# EAGLE board working (EAGLE 6.6.0), part 1 of 2 (continued)
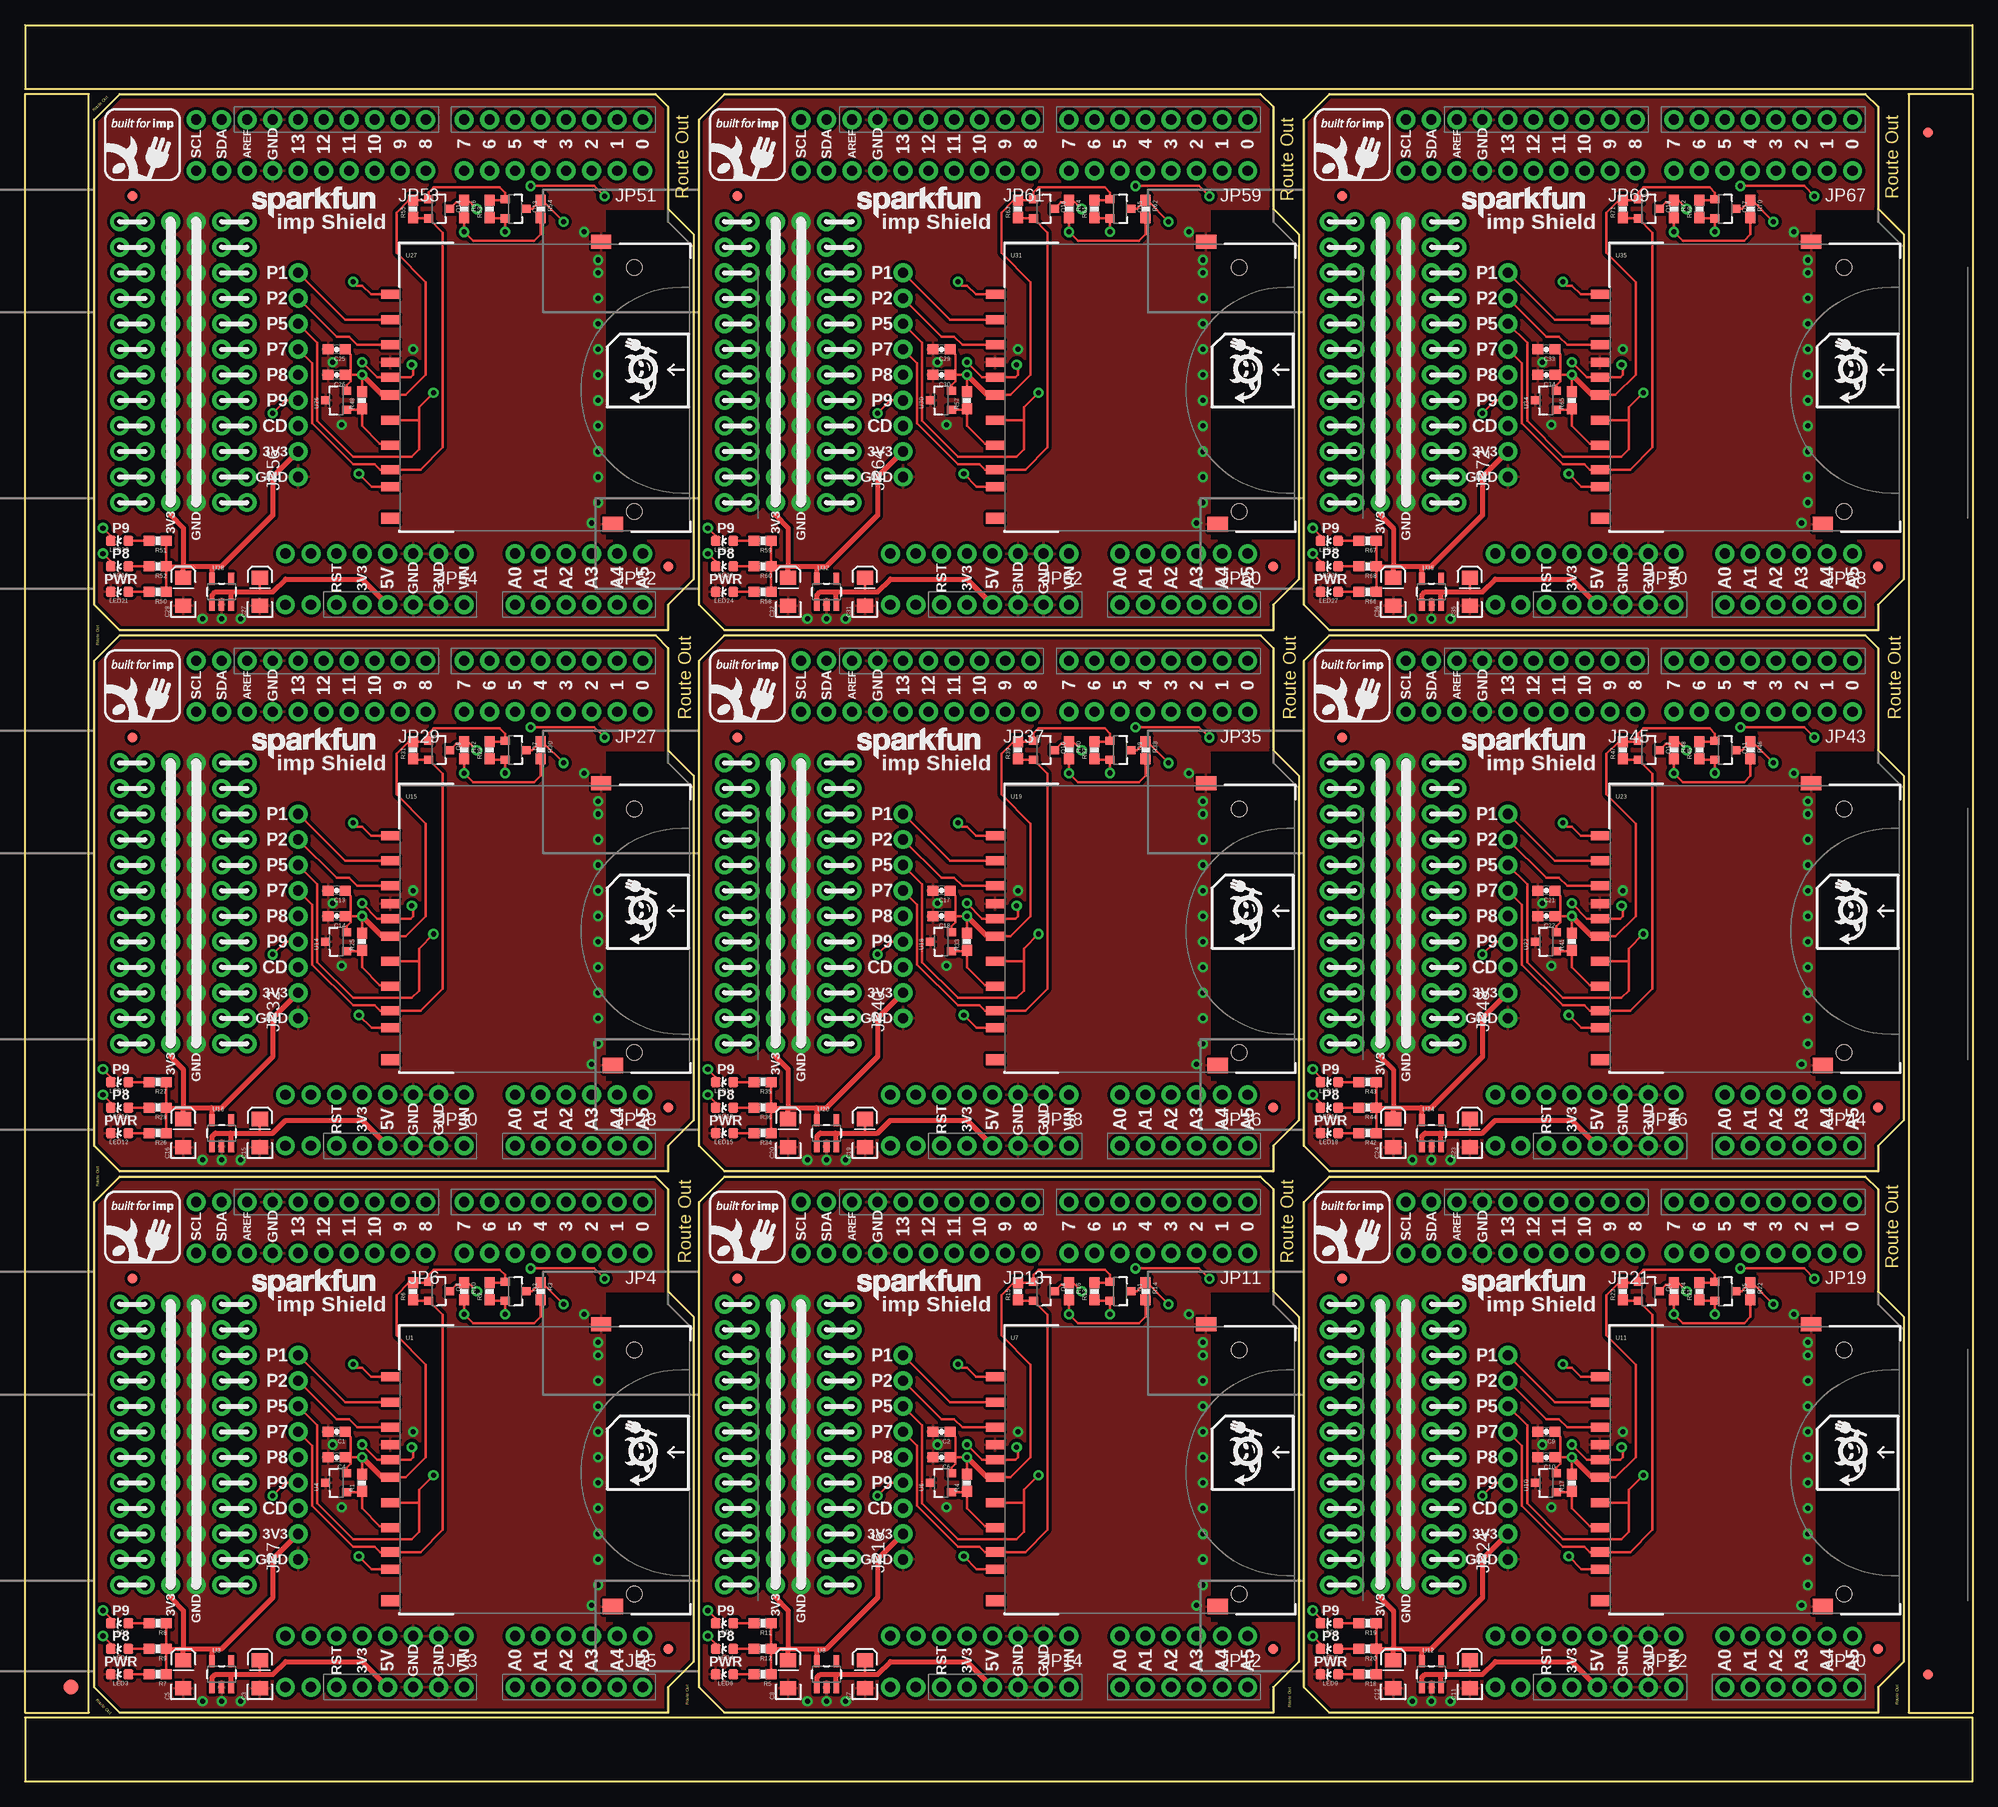
[diagram p0: board, top side]
## Library data of the parts
C1 C2 C9 C13 C17 C21 C25 C29 C33 = SparkFun-Capacitors; PROD_ID: CAP-00868
C3 C5 C7 C8 C11 C12 C15 C16 C19 C20 C23 C24 C27 C28 C31 C32 C35 C36 = SparkFun-Capacitors; PROD_ID: CAP-00811
C4 C6 C10 C14 C18 C22 C26 C30 C34 = SparkFun-Capacitors; PROD_ID: CAP-00810
E$1 = SparkFun-Retired
E$4 E$5 FID1-FID18 JP10 JP15 JP23 JP31 JP39 JP47 JP55 JP63 JP71 U$1-U$9 = SparkFun-Aesthetics
JP1-JP9 JP11-JP14 JP16-JP22 JP24-JP30 JP32-JP38 JP40-JP46 JP48-JP54 JP56-JP62 JP64-JP70 JP72 = SparkFun-Connectors
LED1 LED4 LED7 LED10 LED13 LED16 LED19 LED22 LED25 = SparkFun-LED; PROD_ID: DIO-00819
LED2 LED5 LED8 LED11 LED14 LED17 LED20 LED23 LED26 = SparkFun-LED; PROD_ID: DIO-09003
LED3 LED6 LED9 LED12 LED15 LED18 LED21 LED24 LED27 = SparkFun-LED; PROD_ID: DIO-00821
Q1-Q18 = SparkFun-DiscreteSemi
R1 R4 R17 R25 R33 R41 R49 R57 R65 = SparkFun-Resistors; PROD_ID: RES-07828
R2 R3 R6 R10 R13-R16 R21-R24 R29-R32 R37-R40 R45-R48 R53-R56 R61-R64 R69-R72 = SparkFun-Resistors; PROD_ID: RES-00824
R5 R7-R9 R11 R12 R18-R20 R26-R28 R34-R36 R42-R44 R50-R52 R58-R60 R66-R68 = SparkFun-Resistors; PROD_ID: RES-00818
SJ1-SJ45 = SparkFun-Passives
U1 U7 U11 U15 U19 U23 U27 U31 U35 = SparkFun-RF; PROD_ID: CONN-11976
U2 U5 U9 U13 U17 U21 U25 U29 U33 = SparkFun-Boards
U3 U8 U12 U16 U20 U24 U28 U32 U36 = SparkFun-PowerIC
U4 U6 U10 U14 U18 U22 U26 U30 U34 = SparkFun-DigitalIC

## Nets
3.3V: C1.1 C4.1 C5.A JP7.2 Q2.1 Q3.1 R1.2 R2.2 R6.2 R7.1 R8.1 R9.1 U1.4 U3.5 U4.2
3.3V1: C2.1 C6.1 C8.A JP16.2 Q1.1 Q4.1 R4.2 R5.1 R11.1 R12.1 R13.2 R15.2 U6.2 U7.4 U8.5
3.3V2: C9.1 C10.1 C12.A JP24.2 Q5.1 Q6.1 R17.2 R18.1 R19.1 R20.1 R21.2 R23.2 U10.2 U11.4 U12.5
3.3V3: C13.1 C14.1 C16.A JP32.2 Q7.1 Q8.1 R25.2 R26.1 R27.1 R28.1 R29.2 R31.2 U14.2 U15.4 U16.5
3.3V4: C17.1 C18.1 C20.A JP40.2 Q9.1 Q10.1 R33.2 R34.1 R35.1 R36.1 R37.2 R39.2 U18.2 U19.4 U20.5
3.3V5: C21.1 C22.1 C24.A JP48.2 Q11.1 Q12.1 R41.2 R42.1 R43.1 R44.1 R45.2 R47.2 U22.2 U23.4 U24.5
3.3V6: C25.1 C26.1 C28.A JP56.2 Q13.1 Q14.1 R49.2 R50.1 R51.1 R52.1 R53.2 R55.2 U26.2 U27.4 U28.5
3.3V7: C29.1 C30.1 C32.A JP64.2 Q15.1 Q16.1 R57.2 R58.1 R59.1 R60.1 R61.2 R63.2 U30.2 U31.4 U32.5
3.3V8: C33.1 C34.1 C36.A JP72.2 Q17.1 Q18.1 R65.2 R66.1 R67.1 R68.1 R69.2 R71.2 U34.2 U35.4 U36.5
3.3V-A: JP3.5 U2.3.3V
3.3V-A1: JP14.5 U5.3.3V
3.3V-A2: JP22.5 U9.3.3V
3.3V-A3: JP30.5 U13.3.3V
3.3V-A4: JP38.5 U17.3.3V
3.3V-A5: JP46.5 U21.3.3V
3.3V-A6: JP54.5 U25.3.3V
3.3V-A7: JP62.5 U29.3.3V
3.3V-A8: JP70.5 U33.3.3V
5V: C3.A JP3.4 R3.2 R10.2 U2.5V U3.1 U3.3
5V1: C7.A JP14.4 R14.2 R16.2 U5.5V U8.1 U8.3
5V2: C11.A JP22.4 R22.2 R24.2 U9.5V U12.1 U12.3
5V3: C15.A JP30.4 R30.2 R32.2 U13.5V U16.1 U16.3
5V4: C19.A JP38.4 R38.2 R40.2 U17.5V U20.1 U20.3
5V5: C23.A JP46.4 R46.2 R48.2 U21.5V U24.1 U24.3
5V6: C27.A JP54.4 R54.2 R56.2 U25.5V U28.1 U28.3
5V7: C31.A JP62.4 R62.2 R64.2 U29.5V U32.1 U32.3
5V8: C35.A JP70.4 R70.2 R72.2 U33.5V U36.1 U36.3
A0: JP5.6 SJ3.1 U2.A0
A1: JP5.5 U2.A1
A2: JP5.4 U2.A2
A3: JP5.3 U2.A3
A4: JP5.2 U2.A4
A5: JP5.1 U2.A5
A6: JP12.2 U5.A4
A7: JP12.3 U5.A3
A8: JP12.4 U5.A2
A9: JP12.5 U5.A1
A10: JP12.6 SJ8.1 U5.A0
A11: JP12.1 U5.A5
A12: JP20.2 U9.A4
A13: JP20.3 U9.A3
A14: JP20.4 U9.A2
A15: JP20.5 U9.A1
A16: JP20.6 SJ13.1 U9.A0
A17: JP20.1 U9.A5
A18: JP28.2 U13.A4
A19: JP28.3 U13.A3
A20: JP28.4 U13.A2
A21: JP28.5 U13.A1
A22: JP28.6 SJ18.1 U13.A0
A23: JP28.1 U13.A5
A24: JP36.2 U17.A4
A25: JP36.3 U17.A3
A26: JP36.4 U17.A2
A27: JP36.5 U17.A1
A28: JP36.6 SJ23.1 U17.A0
A29: JP36.1 U17.A5
A30: JP44.2 U21.A4
A31: JP44.3 U21.A3
A32: JP44.4 U21.A2
A33: JP44.5 U21.A1
A34: JP44.6 SJ28.1 U21.A0
A35: JP44.1 U21.A5
A36: JP52.2 U25.A4
A37: JP52.3 U25.A3
A38: JP52.4 U25.A2
A39: JP52.5 U25.A1
A40: JP52.6 SJ33.1 U25.A0
A41: JP52.1 U25.A5
A42: JP60.2 U29.A4
A43: JP60.3 U29.A3
A44: JP60.4 U29.A2
A45: JP60.5 U29.A1
A46: JP60.6 SJ38.1 U29.A0
A47: JP60.1 U29.A5
A48: JP68.2 U33.A4
A49: JP68.3 U33.A3
A50: JP68.4 U33.A2
A51: JP68.5 U33.A1
A52: JP68.6 SJ43.1 U33.A0
A53: JP68.1 U33.A5
ACTIVITY: LED1.C SJ4.2
ACTIVITY1: LED4.C SJ9.2
ACTIVITY2: LED7.C SJ14.2
ACTIVITY3: LED10.C SJ19.2
ACTIVITY4: LED13.C SJ24.2
ACTIVITY5: LED16.C SJ29.2
ACTIVITY6: LED19.C SJ34.2
ACTIVITY7: LED22.C SJ39.2
ACTIVITY8: LED25.C SJ44.2
AREF: JP6.8 U2.AREF
AREF1: JP13.8 U5.AREF
AREF2: JP21.8 U9.AREF
AREF3: JP29.8 U13.AREF
AREF4: JP37.8 U17.AREF
AREF5: JP45.8 U21.AREF
AREF6: JP53.8 U25.AREF
AREF7: JP61.8 U29.AREF
AREF8: JP69.8 U33.AREF
CD: JP7.3 SJ3.2 U1.CD
CD1: JP16.3 SJ8.2 U7.CD
CD2: JP24.3 SJ13.2 U11.CD
CD3: JP32.3 SJ18.2 U15.CD
CD4: JP40.3 SJ23.2 U19.CD
CD5: JP48.3 SJ28.2 U23.CD
CD6: JP56.3 SJ33.2 U27.CD
CD7: JP64.3 SJ38.2 U31.CD
CD8: JP72.3 SJ43.2 U35.CD
D0: JP4.1 SJ1.3 U2.RX
D1: JP4.2 SJ2.3 U2.TX
D2: JP4.3 U2.D2
D3: JP4.4 U2.D3
D4: JP4.5 U2.D4
D5: JP4.6 U2.D5
D6: JP4.7 U2.D6
D7: JP4.8 U2.D7
D8: JP6.1 SJ1.1 U2.D8
D9: JP6.2 SJ2.1 U2.D9
D10: JP6.3 U2.D10
D11: JP6.4 U2.D11
D12: JP6.5 U2.D12
D13: JP6.6 U2.D13
D14: JP11.3 U5.D2
D15: JP11.4 U5.D3
D16: JP11.5 U5.D4
D17: JP11.6 U5.D5
D18: JP11.7 U5.D6
D19: JP11.8 U5.D7
D20: JP13.1 SJ6.1 U5.D8
D21: JP13.2 SJ7.1 U5.D9
D22: JP13.3 U5.D10
D23: JP13.4 U5.D11
D24: JP13.5 U5.D12
D25: JP13.6 U5.D13
D26: JP11.2 SJ7.3 U5.TX
D27: JP11.1 SJ6.3 U5.RX
D28: JP19.3 U9.D2
D29: JP19.4 U9.D3
D30: JP19.5 U9.D4
D31: JP19.6 U9.D5
D32: JP19.7 U9.D6
D33: JP19.8 U9.D7
D34: JP21.1 SJ11.1 U9.D8
D35: JP21.2 SJ12.1 U9.D9
D36: JP21.3 U9.D10
D37: JP21.4 U9.D11
D38: JP21.5 U9.D12
D39: JP21.6 U9.D13
D40: JP19.2 SJ12.3 U9.TX
D41: JP19.1 SJ11.3 U9.RX
D42: JP27.3 U13.D2
D43: JP27.4 U13.D3
D44: JP27.5 U13.D4
D45: JP27.6 U13.D5
D46: JP27.7 U13.D6
D47: JP27.8 U13.D7
D48: JP29.1 SJ16.1 U13.D8
D49: JP29.2 SJ17.1 U13.D9
D50: JP29.3 U13.D10
D51: JP29.4 U13.D11
D52: JP29.5 U13.D12
D53: JP29.6 U13.D13
D54: JP27.2 SJ17.3 U13.TX
D55: JP27.1 SJ16.3 U13.RX
D56: JP35.3 U17.D2
D57: JP35.4 U17.D3
D58: JP35.5 U17.D4
D59: JP35.6 U17.D5
D60: JP35.7 U17.D6
D61: JP35.8 U17.D7
D62: JP37.1 SJ21.1 U17.D8
D63: JP37.2 SJ22.1 U17.D9
D64: JP37.3 U17.D10
D65: JP37.4 U17.D11
D66: JP37.5 U17.D12
D67: JP37.6 U17.D13
D68: JP35.2 SJ22.3 U17.TX
D69: JP35.1 SJ21.3 U17.RX
D70: JP43.3 U21.D2
D71: JP43.4 U21.D3
D72: JP43.5 U21.D4
D73: JP43.6 U21.D5
D74: JP43.7 U21.D6
D75: JP43.8 U21.D7
D76: JP45.1 SJ26.1 U21.D8
D77: JP45.2 SJ27.1 U21.D9
D78: JP45.3 U21.D10
D79: JP45.4 U21.D11
D80: JP45.5 U21.D12
D81: JP45.6 U21.D13
D82: JP43.2 SJ27.3 U21.TX
D83: JP43.1 SJ26.3 U21.RX
D84: JP51.3 U25.D2
D85: JP51.4 U25.D3
D86: JP51.5 U25.D4
D87: JP51.6 U25.D5
D88: JP51.7 U25.D6
D89: JP51.8 U25.D7
D90: JP53.1 SJ31.1 U25.D8
D91: JP53.2 SJ32.1 U25.D9
D92: JP53.3 U25.D10
D93: JP53.4 U25.D11
D94: JP53.5 U25.D12
D95: JP53.6 U25.D13
D96: JP51.2 SJ32.3 U25.TX
D97: JP51.1 SJ31.3 U25.RX
D98: JP59.3 U29.D2
D99: JP59.4 U29.D3
D100: JP59.5 U29.D4
D101: JP59.6 U29.D5
D102: JP59.7 U29.D6
D103: JP59.8 U29.D7
D104: JP61.1 SJ36.1 U29.D8
D105: JP61.2 SJ37.1 U29.D9
D106: JP61.3 U29.D10
D107: JP61.4 U29.D11
D108: JP61.5 U29.D12
D109: JP61.6 U29.D13
D110: JP59.2 SJ37.3 U29.TX
D111: JP59.1 SJ36.3 U29.RX
D112: JP67.3 U33.D2
D113: JP67.4 U33.D3
D114: JP67.5 U33.D4
D115: JP67.6 U33.D5
D116: JP67.7 U33.D6
D117: JP67.8 U33.D7
D118: JP69.1 SJ41.1 U33.D8
D119: JP69.2 SJ42.1 U33.D9
D120: JP69.3 U33.D10
D121: JP69.4 U33.D11
D122: JP69.5 U33.D12
D123: JP69.6 U33.D13
D124: JP67.2 SJ42.3 U33.TX
D125: JP67.1 SJ41.3 U33.RX
GND: C1.2 C3.C C4.2 C5.C JP3.2 JP3.3 JP6.7 JP7.1 LED3.C U1.3 U1.SH@1 U1.SH@2 U2.GND@0 U2.GND@1 U2.GND@2 U3.2 U4.3
GND1: C2.2 C6.2 C7.C C8.C JP13.7 JP14.2 JP14.3 JP16.1 LED6.C U5.GND@0 U5.GND@1 U5.GND@2 U6.3 U7.3 U7.SH@1 U7.SH@2 U8.2
GND2: C9.2 C10.2 C11.C C12.C JP21.7 JP22.2 JP22.3 JP24.1 LED9.C U9.GND@0 U9.GND@1 U9.GND@2 U10.3 U11.3 U11.SH@1 U11.SH@2 U12.2
GND3: C13.2 C14.2 C15.C C16.C JP29.7 JP30.2 JP30.3 JP32.1 LED12.C U13.GND@0 U13.GND@1 U13.GND@2 U14.3 U15.3 U15.SH@1 U15.SH@2 U16.2
GND4: C17.2 C18.2 C19.C C20.C JP37.7 JP38.2 JP38.3 JP40.1 LED15.C U17.GND@0 U17.GND@1 U17.GND@2 U18.3 U19.3 U19.SH@1 U19.SH@2 U20.2
GND5: C21.2 C22.2 C23.C C24.C JP45.7 JP46.2 JP46.3 JP48.1 LED18.C U21.GND@0 U21.GND@1 U21.GND@2 U22.3 U23.3 U23.SH@1 U23.SH@2 U24.2
GND6: C25.2 C26.2 C27.C C28.C JP53.7 JP54.2 JP54.3 JP56.1 LED21.C U25.GND@0 U25.GND@1 U25.GND@2 U26.3 U27.3 U27.SH@1 U27.SH@2 U28.2
GND7: C29.2 C30.2 C31.C C32.C JP61.7 JP62.2 JP62.3 JP64.1 LED24.C U29.GND@0 U29.GND@1 U29.GND@2 U30.3 U31.3 U31.SH@1 U31.SH@2 U32.2
GND8: C33.2 C34.2 C35.C C36.C JP69.7 JP70.2 JP70.3 JP72.1 LED27.C U33.GND@0 U33.GND@1 U33.GND@2 U34.3 U35.3 U35.SH@1 U35.SH@2 U36.2
LINK: LED2.C SJ5.2
LINK1: LED5.C SJ10.2
LINK2: LED8.C SJ15.2
LINK3: LED11.C SJ20.2
LINK4: LED14.C SJ25.2
LINK5: LED17.C SJ30.2
LINK6: LED20.C SJ35.2
LINK7: LED23.C SJ40.2
LINK8: LED26.C SJ45.2
N$1: R4.1 U6.1 U7.6
N$2: R1.1 U1.6 U4.1
N$3: JP9.2 JP14.8
N$4: JP9.1 JP14.7
N$7: LED6.A R5.2
N$8: LED5.A R11.2
N$9: LED4.A R12.2
N$10: JP2.2 JP3.8
N$11: JP2.1 JP3.7
N$12: LED3.A R7.2
N$13: LED2.A R8.2
N$14: LED1.A R9.2
N$50: R17.1 U10.1 U11.6
N$51: JP18.2 JP22.8
N$52: JP18.1 JP22.7
N$57: LED9.A R18.2
N$58: LED8.A R19.2
N$59: LED7.A R20.2
N$94: R25.1 U14.1 U15.6
N$95: JP26.2 JP30.8
N$96: JP26.1 JP30.7
N$102: LED12.A R26.2
N$103: LED11.A R27.2
N$104: LED10.A R28.2
N$129: R33.1 U18.1 U19.6
N$130: JP34.2 JP38.8
N$131: JP34.1 JP38.7
N$134: LED15.A R34.2
N$135: LED14.A R35.2
N$136: LED13.A R36.2
N$161: R41.1 U22.1 U23.6
N$162: JP42.2 JP46.8
N$163: JP42.1 JP46.7
N$166: LED18.A R42.2
N$167: LED17.A R43.2
N$168: LED16.A R44.2
N$193: R49.1 U26.1 U27.6
N$194: JP50.2 JP54.8
N$195: JP50.1 JP54.7
N$198: LED21.A R50.2
N$199: LED20.A R51.2
N$200: LED19.A R52.2
N$225: R57.1 U30.1 U31.6
N$226: JP58.2 JP62.8
N$227: JP58.1 JP62.7
N$230: LED24.A R58.2
N$231: LED23.A R59.2
N$232: LED22.A R60.2
N$257: R65.1 U34.1 U35.6
N$258: JP66.2 JP70.8
N$259: JP66.1 JP70.7
N$262: LED27.A R66.2
N$263: LED26.A R67.2
N$264: LED25.A R68.2
PIN1: JP7.9 U1.1
PIN2: JP7.8 U1.2
PIN3: JP16.9 U7.1
PIN4: JP16.5 SJ9.1 U7.8
PIN5: JP7.7 Q2.2 R2.1 U1.5
PIN6: JP16.4 SJ10.1 U7.9
PIN7: JP7.6 Q3.2 R6.1 U1.7
PIN8: JP7.5 SJ4.1 U1.8
PIN9: JP7.4 SJ5.1 U1.9
PIN10: JP16.8 U7.2
PIN11: JP16.7 Q1.2 R13.1 U7.5
PIN12: JP16.6 Q4.2 R15.1 U7.7
PIN13: JP24.9 U11.1
PIN14: JP24.5 SJ14.1 U11.8
PIN15: JP24.4 SJ15.1 U11.9
PIN16: JP24.8 U11.2
PIN17: JP24.7 Q5.2 R21.1 U11.5
PIN18: JP24.6 Q6.2 R23.1 U11.7
PIN19: JP32.9 U15.1
PIN20: JP32.5 SJ19.1 U15.8
PIN21: JP32.4 SJ20.1 U15.9
PIN22: JP32.8 U15.2
PIN23: JP32.7 Q7.2 R29.1 U15.5
PIN24: JP32.6 Q8.2 R31.1 U15.7
PIN25: JP40.9 U19.1
PIN26: JP40.5 SJ24.1 U19.8
PIN27: JP40.4 SJ25.1 U19.9
PIN28: JP40.8 U19.2
PIN29: JP40.7 Q9.2 R37.1 U19.5
PIN30: JP40.6 Q10.2 R39.1 U19.7
PIN31: JP48.9 U23.1
PIN32: JP48.5 SJ29.1 U23.8
PIN33: JP48.4 SJ30.1 U23.9
PIN34: JP48.8 U23.2
PIN35: JP48.7 Q11.2 R45.1 U23.5
PIN36: JP48.6 Q12.2 R47.1 U23.7
PIN37: JP56.9 U27.1
PIN38: JP56.5 SJ34.1 U27.8
PIN39: JP56.4 SJ35.1 U27.9
PIN40: JP56.8 U27.2
PIN41: JP56.7 Q13.2 R53.1 U27.5
PIN42: JP56.6 Q14.2 R55.1 U27.7
PIN43: JP64.9 U31.1
PIN44: JP64.5 SJ39.1 U31.8
PIN45: JP64.4 SJ40.1 U31.9
PIN46: JP64.8 U31.2
PIN47: JP64.7 Q15.2 R61.1 U31.5
PIN48: JP64.6 Q16.2 R63.1 U31.7
PIN49: JP72.9 U35.1
PIN50: JP72.5 SJ44.1 U35.8
PIN51: JP72.4 SJ45.1 U35.9
PIN52: JP72.8 U35.2
PIN53: JP72.7 Q17.2 R69.1 U35.5
PIN54: JP72.6 Q18.2 R71.1 U35.7
RESET: JP3.6 U2.RES
RESET1: JP14.6 U5.RES
RESET2: JP22.6 U9.RES
RESET3: JP30.6 U13.RES
RESET4: JP38.6 U17.RES
RESET5: JP46.6 U21.RES
RESET6: JP54.6 U25.RES
RESET7: JP62.6 U29.RES
RESET8: JP70.6 U33.RES
RX: Q2.3 R3.1 SJ1.2
RX1: Q1.3 R14.1 SJ6.2
RX2: Q5.3 R22.1 SJ11.2
RX3: Q7.3 R30.1 SJ16.2
RX4: Q9.3 R38.1 SJ21.2
RX5: Q11.3 R46.1 SJ26.2
RX6: Q13.3 R54.1 SJ31.2
RX7: Q15.3 R62.1 SJ36.2
RX8: Q17.3 R70.1 SJ41.2
SCL: JP1.1 JP6.10
SCL1: JP8.1 JP13.10
SCL2: JP17.1 JP21.10
SCL3: JP25.1 JP29.10
SCL4: JP33.1 JP37.10
SCL5: JP41.1 JP45.10
SCL6: JP49.1 JP53.10
SCL7: JP57.1 JP61.10
SCL8: JP65.1 JP69.10
SDA: JP1.2 JP6.9
SDA1: JP8.2 JP13.9
SDA2: JP17.2 JP21.9
SDA3: JP25.2 JP29.9
SDA4: JP33.2 JP37.9
SDA5: JP41.2 JP45.9
SDA6: JP49.2 JP53.9
SDA7: JP57.2 JP61.9
SDA8: JP65.2 JP69.9
TX: Q3.3 R10.1 SJ2.2
TX1: Q4.3 R16.1 SJ7.2
TX2: Q6.3 R24.1 SJ12.2
TX3: Q8.3 R32.1 SJ17.2
TX4: Q10.3 R40.1 SJ22.2
TX5: Q12.3 R48.1 SJ27.2
TX6: Q14.3 R56.1 SJ32.2
TX7: Q16.3 R64.1 SJ37.2
TX8: Q18.3 R72.1 SJ42.2
VIN: JP3.1 U2.VIN
VIN1: JP14.1 U5.VIN
VIN2: JP22.1 U9.VIN
VIN3: JP30.1 U13.VIN
VIN4: JP38.1 U17.VIN
VIN5: JP46.1 U21.VIN
VIN6: JP54.1 U25.VIN
VIN7: JP62.1 U29.VIN
VIN8: JP70.1 U33.VIN

## Tracks (layer width: path | path; a pad name or v marks a point on that pad's centre or on a via)
3.3V  (via drill 0.51, 1.02 pad 1.88)
  Top 0.254: R8.1 R9.1 R7.1 | C4.1 32.38,32.26 | 32.38,32.26 v33.53,32.26 R1.2 | U4.2 31.99,31.23 32.38,31.62 32.38,32.26 | 32.38,32.26 32.38,34.25 C1.1 | U1.4 37.88,30.26 39.88,32.26 39.88,41.47 36.96,44.39 36.96,48.39 38.19,49.62 R6.2 40.05,49.62 Q3.1 40.15,50.44 40.64,50.93 47.24,50.93 47.77,50.4 Q2.1 47.67,49.62 R2.2
  Top 0.406: R9.1 15.75,13.21 | 18.61,13.14 18.54,13.21
  Top 0.508: 15.75,13.21 18.54,13.21 19.56,13.21 24.64,18.29 24.64,22.1 JP7.2 | U3.5 18.61,13.14 | C5.A 15.75,13.21 | v14.48,19.56 14.48,18.29 15.75,17.02 15.75,13.21 | U1.4 35.53,30.26 v33.53,32.26
  Bottom 0.508: v14.48,19.56 v14.48,22.1 v14.48,24.64 v14.48,27.18 v14.48,29.72 v14.48,32.26 v14.48,34.8 v14.48,37.34 v14.48,39.88 v14.48,42.42 v14.48,44.96 v14.48,47.5 | v33.53,32.26 33.53,30.99 JP7.2
3.3V1  (via drill 0.51, 1.02 pad 1.88)
  Top 0.254: R11.1 R12.1 R5.1 | C6.1 92.58,32.26 | 92.58,32.26 v93.73,32.26 R4.2 | U6.2 92.19,31.23 92.58,31.62 92.58,32.26 | 92.58,32.26 92.58,34.25 C2.1 | U7.4 98.08,30.26 100.08,32.26 100.08,41.47 97.16,44.39 97.16,48.39 98.39,49.62 R15.2 100.25,49.62 Q4.1 100.35,50.44 100.84,50.93 107.44,50.93 107.97,50.4 Q1.1 107.87,49.62 R13.2
  Top 0.406: R12.1 75.95,13.21 | 78.81,13.14 78.74,13.21
  Top 0.508: 75.95,13.21 78.74,13.21 79.76,13.21 84.84,18.29 84.84,22.1 JP16.2 | U8.5 78.81,13.14 | C8.A 75.95,13.21 | v74.68,19.56 74.68,18.29 75.95,17.02 75.95,13.21 | U7.4 95.73,30.26 v93.73,32.26
  Bottom 0.508: v74.68,19.56 v74.68,22.1 v74.68,24.64 v74.68,27.18 v74.68,29.72 v74.68,32.26 v74.68,34.8 v74.68,37.34 v74.68,39.88 v74.68,42.42 v74.68,44.96 v74.68,47.5 | v93.73,32.26 93.73,30.99 JP16.2
3.3V2  (via drill 0.51, 1.02 pad 1.88)
  Top 0.254: R19.1 R20.1 R18.1 | C10.1 152.78,32.26 | 152.78,32.26 v153.92,32.26 R17.2 | U10.2 152.38,31.23 152.78,31.62 152.78,32.26 | 152.78,32.26 152.78,34.25 C9.1 | U11.4 158.27,30.26 160.27,32.26 160.27,41.47 157.35,44.39 157.35,48.39 158.58,49.62 R23.2 160.44,49.62 Q6.1 160.54,50.44 161.04,50.93 167.64,50.93 168.16,50.4 Q5.1 168.06,49.62 R21.2
  Top 0.406: R20.1 136.14,13.21 | 139,13.14 138.94,13.21
  Top 0.508: 136.14,13.21 138.94,13.21 139.95,13.21 145.03,18.29 145.03,22.1 JP24.2 | U12.5 139,13.14 | C12.A 136.14,13.21 | v134.87,19.56 134.87,18.29 136.14,17.02 136.14,13.21 | U11.4 155.92,30.26 v153.92,32.26
  Bottom 0.508: v134.87,19.56 v134.87,22.1 v134.87,24.64 v134.87,27.18 v134.87,29.72 v134.87,32.26 v134.87,34.8 v134.87,37.34 v134.87,39.88 v134.87,42.42 v134.87,44.96 v134.87,47.5 | v153.92,32.26 153.92,30.99 JP24.2
3.3V3  (via drill 0.51, 1.02 pad 1.88)
  Top 0.254: R27.1 R28.1 R26.1 | C14.1 32.38,86.11 | 32.38,86.11 v33.53,86.11 R25.2 | U14.2 31.99,85.07 32.38,85.47 32.38,86.11 | 32.38,86.11 32.38,88.1 C13.1 | U15.4 37.88,84.11 39.88,86.11 39.88,95.32 36.96,98.24 36.96,102.23 38.19,103.47 R31.2 40.05,103.47 Q8.1 40.15,104.28 40.64,104.78 47.24,104.78 47.77,104.25 Q7.1 47.67,103.47 R29.2
  Top 0.406: R28.1 15.75,67.06 | 18.61,66.99 18.54,67.06
  Top 0.508: 15.75,67.06 18.54,67.06 19.56,67.06 24.64,72.14 24.64,75.95 JP32.2 | U16.5 18.61,66.99 | C16.A 15.75,67.06 | v14.48,73.41 14.48,72.14 15.75,70.87 15.75,67.06 | U15.4 35.53,84.11 v33.53,86.11
  Bottom 0.508: v14.48,73.41 v14.48,75.95 v14.48,78.49 v14.48,81.03 v14.48,83.57 v14.48,86.11 v14.48,88.65 v14.48,91.19 v14.48,93.73 v14.48,96.27 v14.48,98.81 v14.48,101.35 | v33.53,86.11 33.53,84.84 JP32.2
3.3V4  (via drill 0.51, 1.02 pad 1.88)
  Top 0.254: R35.1 R36.1 R34.1 | C18.1 92.58,86.11 | 92.58,86.11 v93.73,86.11 R33.2 | U18.2 92.19,85.07 92.58,85.47 92.58,86.11 | 92.58,86.11 92.58,88.1 C17.1 | U19.4 98.08,84.11 100.08,86.11 100.08,95.32 97.16,98.24 97.16,102.23 98.39,103.47 R39.2 100.25,103.47 Q10.1 100.35,104.28 100.84,104.78 107.44,104.78 107.97,104.25 Q9.1 107.87,103.47 R37.2
  Top 0.406: R36.1 75.95,67.06 | 78.81,66.99 78.74,67.06
  Top 0.508: 75.95,67.06 78.74,67.06 79.76,67.06 84.84,72.14 84.84,75.95 JP40.2 | U20.5 78.81,66.99 | C20.A 75.95,67.06 | v74.68,73.41 74.68,72.14 75.95,70.87 75.95,67.06 | U19.4 95.73,84.11 v93.73,86.11
  Bottom 0.508: v74.68,73.41 v74.68,75.95 v74.68,78.49 v74.68,81.03 v74.68,83.57 v74.68,86.11 v74.68,88.65 v74.68,91.19 v74.68,93.73 v74.68,96.27 v74.68,98.81 v74.68,101.35 | v93.73,86.11 93.73,84.84 JP40.2
3.3V5  (via drill 0.51, 1.02 pad 1.88)
  Top 0.254: R43.1 R44.1 R42.1 | C22.1 152.78,86.11 | 152.78,86.11 v153.92,86.11 R41.2 | U22.2 152.38,85.07 152.78,85.47 152.78,86.11 | 152.78,86.11 152.78,88.1 C21.1 | U23.4 158.27,84.11 160.27,86.11 160.27,95.32 157.35,98.24 157.35,102.23 158.58,103.47 R47.2 160.44,103.47 Q12.1 160.54,104.28 161.04,104.78 167.64,104.78 168.16,104.25 Q11.1 168.06,103.47 R45.2
  Top 0.406: R44.1 136.14,67.06 | 139,66.99 138.94,67.06
  Top 0.508: 136.14,67.06 138.94,67.06 139.95,67.06 145.03,72.14 145.03,75.95 JP48.2 | U24.5 139,66.99 | C24.A 136.14,67.06 | v134.87,73.41 134.87,72.14 136.14,70.87 136.14,67.06 | U23.4 155.92,84.11 v153.92,86.11
  Bottom 0.508: v134.87,73.41 v134.87,75.95 v134.87,78.49 v134.87,81.03 v134.87,83.57 v134.87,86.11 v134.87,88.65 v134.87,91.19 v134.87,93.73 v134.87,96.27 v134.87,98.81 v134.87,101.35 | v153.92,86.11 153.92,84.84 JP48.2
3.3V6  (via drill 0.51, 1.02 pad 1.88)
  Top 0.254: R51.1 R52.1 R50.1 | C26.1 32.38,139.95 | 32.38,139.95 v33.53,139.95 R49.2 | U26.2 31.99,138.92 32.38,139.32 32.38,139.95 | 32.38,139.95 32.38,141.95 C25.1 | U27.4 37.88,137.95 39.88,139.95 39.88,149.16 36.96,152.09 36.96,156.08 38.19,157.31 R55.2 40.05,157.31 Q14.1 40.15,158.13 40.64,158.62 47.24,158.62 47.77,158.1 Q13.1 47.67,157.31 R53.2
  Top 0.406: R52.1 15.75,120.9 | 18.61,120.84 18.54,120.9
  Top 0.508: 15.75,120.9 18.54,120.9 19.56,120.9 24.64,125.98 24.64,129.79 JP56.2 | U28.5 18.61,120.84 | C28.A 15.75,120.9 | v14.48,127.25 14.48,125.98 15.75,124.71 15.75,120.9 | U27.4 35.53,137.95 v33.53,139.95
  Bottom 0.508: v14.48,127.25 v14.48,129.79 v14.48,132.33 v14.48,134.87 v14.48,137.41 v14.48,139.95 v14.48,142.49 v14.48,145.03 v14.48,147.57 v14.48,150.11 v14.48,152.65 v14.48,155.19 | v33.53,139.95 33.53,138.68 JP56.2
3.3V7  (via drill 0.51, 1.02 pad 1.88)
  Top 0.254: R59.1 R60.1 R58.1 | C30.1 92.58,139.95 | 92.58,139.95 v93.73,139.95 R57.2 | U30.2 92.19,138.92 92.58,139.32 92.58,139.95 | 92.58,139.95 92.58,141.95 C29.1 | U31.4 98.08,137.95 100.08,139.95 100.08,149.16 97.16,152.09 97.16,156.08 98.39,157.31 R63.2 100.25,157.31 Q16.1 100.35,158.13 100.84,158.62 107.44,158.62 107.97,158.1 Q15.1 107.87,157.31 R61.2
  Top 0.406: R60.1 75.95,120.9 | 78.81,120.84 78.74,120.9
  Top 0.508: 75.95,120.9 78.74,120.9 79.76,120.9 84.84,125.98 84.84,129.79 JP64.2 | U32.5 78.81,120.84 | C32.A 75.95,120.9 | v74.68,127.25 74.68,125.98 75.95,124.71 75.95,120.9 | U31.4 95.73,137.95 v93.73,139.95
  Bottom 0.508: v74.68,127.25 v74.68,129.79 v74.68,132.33 v74.68,134.87 v74.68,137.41 v74.68,139.95 v74.68,142.49 v74.68,145.03 v74.68,147.57 v74.68,150.11 v74.68,152.65 v74.68,155.19 | v93.73,139.95 93.73,138.68 JP64.2
3.3V8  (via drill 0.51, 1.02 pad 1.88)
  Top 0.254: R67.1 R68.1 R66.1 | C34.1 152.78,139.95 | 152.78,139.95 v153.92,139.95 R65.2 | U34.2 152.38,138.92 152.78,139.32 152.78,139.95 | 152.78,139.95 152.78,141.95 C33.1 | U35.4 158.27,137.95 160.27,139.95 160.27,149.16 157.35,152.09 157.35,156.08 158.58,157.31 R71.2 160.44,157.31 Q18.1 160.54,158.13 161.04,158.62 167.64,158.62 168.16,158.1 Q17.1 168.06,157.31 R69.2
  Top 0.406: R68.1 136.14,120.9 | 139,120.84 138.94,120.9
  Top 0.508: 136.14,120.9 138.94,120.9 139.95,120.9 145.03,125.98 145.03,129.79 JP72.2 | U36.5 139,120.84 | C36.A 136.14,120.9 | v134.87,127.25 134.87,125.98 136.14,124.71 136.14,120.9 | U35.4 155.92,137.95 v153.92,139.95
  Bottom 0.508: v134.87,127.25 v134.87,129.79 v134.87,132.33 v134.87,134.87 v134.87,137.41 v134.87,139.95 v134.87,142.49 v134.87,145.03 v134.87,147.57 v134.87,150.11 v134.87,152.65 v134.87,155.19 | v153.92,139.95 153.92,138.68 JP72.2
3.3V-A
  Bottom 0.406: U2.3.3V JP3.5
3.3V-A1
  Bottom 0.406: U5.3.3V JP14.5
3.3V-A2
  Bottom 0.406: U9.3.3V JP22.5
3.3V-A3
  Bottom 0.406: U13.3.3V JP30.5
3.3V-A4
  Bottom 0.406: U17.3.3V JP38.5
3.3V-A5
  Bottom 0.406: U21.3.3V JP46.5
3.3V-A6
  Bottom 0.406: U25.3.3V JP54.5
3.3V-A7
  Bottom 0.406: U29.3.3V JP62.5
3.3V-A8
  Bottom 0.406: U33.3.3V JP70.5
5V  (via drill 0.51)
  Top 0.254: R10.2 v43.69,46.48 44.58,45.59 50.67,45.59 51.31,46.23 R3.2 | C3.A 23.37,10.67
  Top 0.406: 20.51,10.61 20.45,10.67
  Top 0.508: U2.5V 33.53,11.94 25.91,11.94 24.64,10.67 23.37,10.67 20.45,10.67 18.92,10.67 18.61,10.35 U3.1 | U3.3 20.51,10.61
  Bottom 0.254: JP3.4 36.07,39.88 42.67,46.48 v43.69,46.48
  Bottom 0.406: U2.5V JP3.4
5V1  (via drill 0.51)
  Top 0.254: R16.2 v103.89,46.48 104.78,45.59 110.87,45.59 111.51,46.23 R14.2 | C7.A 83.57,10.67
  Top 0.406: 80.71,10.61 80.64,10.67
  Top 0.508: U5.5V 93.73,11.94 86.11,11.94 84.84,10.67 83.57,10.67 80.64,10.67 79.12,10.67 78.81,10.35 U8.1 | U8.3 80.71,10.61
  Bottom 0.254: JP14.4 96.27,39.88 102.87,46.48 v103.89,46.48
  Bottom 0.406: U5.5V JP14.4
5V2  (via drill 0.51)
  Top 0.254: R24.2 v164.08,46.48 164.97,45.59 171.07,45.59 171.7,46.23 R22.2 | C11.A 143.76,10.67
  Top 0.406: 140.9,10.61 140.84,10.67
  Top 0.508: U9.5V 153.92,11.94 146.3,11.94 145.03,10.67 143.76,10.67 140.84,10.67 139.32,10.67 139,10.35 U12.1 | U12.3 140.9,10.61
  Bottom 0.254: JP22.4 156.46,39.88 163.07,46.48 v164.08,46.48
  Bottom 0.406: U9.5V JP22.4
5V3  (via drill 0.51)
  Top 0.254: R32.2 v43.69,100.33 44.58,99.44 50.67,99.44 51.31,100.08 R30.2 | C15.A 23.37,64.52
  Top 0.406: 20.51,64.45 20.45,64.52
  Top 0.508: U13.5V 33.53,65.79 25.91,65.79 24.64,64.52 23.37,64.52 20.45,64.52 18.92,64.52 18.61,64.2 U16.1 | U16.3 20.51,64.45
  Bottom 0.254: JP30.4 36.07,93.73 42.67,100.33 v43.69,100.33
  Bottom 0.406: U13.5V JP30.4
5V4  (via drill 0.51)
  Top 0.254: R40.2 v103.89,100.33 104.78,99.44 110.87,99.44 111.51,100.08 R38.2 | C19.A 83.57,64.52
  Top 0.406: 80.71,64.45 80.64,64.52
  Top 0.508: U17.5V 93.73,65.79 86.11,65.79 84.84,64.52 83.57,64.52 80.64,64.52 79.12,64.52 78.81,64.2 U20.1 | U20.3 80.71,64.45
  Bottom 0.254: JP38.4 96.27,93.73 102.87,100.33 v103.89,100.33
  Bottom 0.406: U17.5V JP38.4
5V5  (via drill 0.51)
  Top 0.254: R48.2 v164.08,100.33 164.97,99.44 171.07,99.44 171.7,100.08 R46.2 | C23.A 143.76,64.52
  Top 0.406: 140.9,64.45 140.84,64.52
  Top 0.508: U21.5V 153.92,65.79 146.3,65.79 145.03,64.52 143.76,64.52 140.84,64.52 139.32,64.52 139,64.2 U24.1 | U24.3 140.9,64.45
  Bottom 0.254: JP46.4 156.46,93.73 163.07,100.33 v164.08,100.33
  Bottom 0.406: U21.5V JP46.4
5V6  (via drill 0.51)
  Top 0.254: R56.2 v43.69,154.18 44.58,153.29 50.67,153.29 51.31,153.92 R54.2 | C27.A 23.37,118.36
  Top 0.406: 20.51,118.3 20.45,118.36
  Top 0.508: U25.5V 33.53,119.63 25.91,119.63 24.64,118.36 23.37,118.36 20.45,118.36 18.92,118.36 18.61,118.05 U28.1 | U28.3 20.51,118.3
  Bottom 0.254: JP54.4 36.07,147.57 42.67,154.18 v43.69,154.18
  Bottom 0.406: U25.5V JP54.4
5V7  (via drill 0.51)
  Top 0.254: R64.2 v103.89,154.18 104.78,153.29 110.87,153.29 111.51,153.92 R62.2 | C31.A 83.57,118.36
  Top 0.406: 80.71,118.3 80.64,118.36
  Top 0.508: U29.5V 93.73,119.63 86.11,119.63 84.84,118.36 83.57,118.36 80.64,118.36 79.12,118.36 78.81,118.05 U32.1 | U32.3 80.71,118.3
  Bottom 0.254: JP62.4 96.27,147.57 102.87,154.18 v103.89,154.18
  Bottom 0.406: U29.5V JP62.4
5V8  (via drill 0.51)
  Top 0.254: R72.2 v164.08,154.18 164.97,153.29 171.07,153.29 171.7,153.92 R70.2 | C35.A 143.76,118.36
  Top 0.406: 140.9,118.3 140.84,118.36
  Top 0.508: U33.5V 153.92,119.63 146.3,119.63 145.03,118.36 143.76,118.36 140.84,118.36 139.32,118.36 139,118.05 U36.1 | U36.3 140.9,118.3
  Bottom 0.254: JP70.4 156.46,147.57 163.07,154.18 v164.08,154.18
  Bottom 0.406: U33.5V JP70.4
A0
  Bottom 0.254: JP5.6 SJ3.1
  Bottom 0.406: U2.A0 JP5.6
A1
  Bottom 0.406: U2.A1 JP5.5
A2
  Bottom 0.406: U2.A2 JP5.4
A3
  Bottom 0.406: U2.A3 JP5.3
A4
  Bottom 0.406: U2.A4 JP5.2
A5
  Bottom 0.406: U2.A5 JP5.1
A6
  Bottom 0.406: U5.A4 JP12.2
A7
  Bottom 0.406: U5.A3 JP12.3
A8
  Bottom 0.406: U5.A2 JP12.4
A9
  Bottom 0.406: U5.A1 JP12.5
A10
  Bottom 0.254: JP12.6 SJ8.1
  Bottom 0.406: U5.A0 JP12.6
A11
  Bottom 0.406: U5.A5 JP12.1
A12
  Bottom 0.406: U9.A4 JP20.2
A13
  Bottom 0.406: U9.A3 JP20.3
A14
  Bottom 0.406: U9.A2 JP20.4
A15
  Bottom 0.406: U9.A1 JP20.5
A16
  Bottom 0.254: JP20.6 SJ13.1
  Bottom 0.406: U9.A0 JP20.6
A17
  Bottom 0.406: U9.A5 JP20.1
A18
  Bottom 0.406: U13.A4 JP28.2
A19
  Bottom 0.406: U13.A3 JP28.3
A20
  Bottom 0.406: U13.A2 JP28.4
A21
  Bottom 0.406: U13.A1 JP28.5
A22
  Bottom 0.254: JP28.6 SJ18.1
  Bottom 0.406: U13.A0 JP28.6
A23
  Bottom 0.406: U13.A5 JP28.1
A24
  Bottom 0.406: U17.A4 JP36.2
A25
  Bottom 0.406: U17.A3 JP36.3
A26
  Bottom 0.406: U17.A2 JP36.4
A27
  Bottom 0.406: U17.A1 JP36.5
A28
  Bottom 0.254: JP36.6 SJ23.1
  Bottom 0.406: U17.A0 JP36.6
A29
  Bottom 0.406: U17.A5 JP36.1
A30
  Bottom 0.406: U21.A4 JP44.2
A31
  Bottom 0.406: U21.A3 JP44.3
A32
  Bottom 0.406: U21.A2 JP44.4
A33
  Bottom 0.406: U21.A1 JP44.5
A34
  Bottom 0.254: JP44.6 SJ28.1
  Bottom 0.406: U21.A0 JP44.6
A35
  Bottom 0.406: U21.A5 JP44.1
A36
  Bottom 0.406: U25.A4 JP52.2
A37
  Bottom 0.406: U25.A3 JP52.3
A38
  Bottom 0.406: U25.A2 JP52.4
A39
  Bottom 0.406: U25.A1 JP52.5
A40
  Bottom 0.254: JP52.6 SJ33.1
  Bottom 0.406: U25.A0 JP52.6
A41
  Bottom 0.406: U25.A5 JP52.1
A42
  Bottom 0.406: U29.A4 JP60.2
A43
  Bottom 0.406: U29.A3 JP60.3
A44
  Bottom 0.406: U29.A2 JP60.4
A45
  Bottom 0.406: U29.A1 JP60.5
A46
  Bottom 0.254: JP60.6 SJ38.1
  Bottom 0.406: U29.A0 JP60.6
A47
  Bottom 0.406: U29.A5 JP60.1
A48
  Bottom 0.406: U33.A4 JP68.2
A49
  Bottom 0.406: U33.A3 JP68.3
A50
  Bottom 0.406: U33.A2 JP68.4
A51
  Bottom 0.406: U33.A1 JP68.5
A52
  Bottom 0.254: JP68.6 SJ43.1
  Bottom 0.406: U33.A0 JP68.6
A53
  Bottom 0.406: U33.A5 JP68.1
ACTIVITY  (via drill 0.51)
  Top 0.254: LED1.C 8.52,13.7 v7.75,14.48
  Bottom 0.254: SJ4.2 9.02,13.21 v7.75,14.48
ACTIVITY1  (via drill 0.51)
  Top 0.254: LED4.C 68.72,13.7 v67.94,14.48
  Bottom 0.254: SJ9.2 69.22,13.21 v67.94,14.48
ACTIVITY2  (via drill 0.51)
  Top 0.254: LED7.C 128.92,13.7 v128.14,14.48
  Bottom 0.254: SJ14.2 129.41,13.21 v128.14,14.48
ACTIVITY3  (via drill 0.51)
  Top 0.254: LED10.C 8.52,67.55 v7.75,68.33
  Bottom 0.254: SJ19.2 9.02,67.06 v7.75,68.33
ACTIVITY4  (via drill 0.51)
  Top 0.254: LED13.C 68.72,67.55 v67.94,68.33
  Bottom 0.254: SJ24.2 69.22,67.06 v67.94,68.33
ACTIVITY5  (via drill 0.51)
  Top 0.254: LED16.C 128.92,67.55 v128.14,68.33
  Bottom 0.254: SJ29.2 129.41,67.06 v128.14,68.33
ACTIVITY6  (via drill 0.51)
  Top 0.254: LED19.C 8.52,121.4 v7.75,122.17
  Bottom 0.254: SJ34.2 9.02,120.9 v7.75,122.17
ACTIVITY7  (via drill 0.51)
  Top 0.254: LED22.C 68.72,121.4 v67.94,122.17
  Bottom 0.254: SJ39.2 69.22,120.9 v67.94,122.17
ACTIVITY8  (via drill 0.51)
  Top 0.254: LED25.C 128.92,121.4 v128.14,122.17
  Bottom 0.254: SJ44.2 129.41,120.9 v128.14,122.17
AREF
  Bottom 0.406: JP6.8 U2.AREF
AREF1
  Bottom 0.406: JP13.8 U5.AREF
AREF2
  Bottom 0.406: JP21.8 U9.AREF
AREF3
  Bottom 0.406: JP29.8 U13.AREF
AREF4
  Bottom 0.406: JP37.8 U17.AREF
AREF5
  Bottom 0.406: JP45.8 U21.AREF
AREF6
  Bottom 0.406: JP53.8 U25.AREF
AREF7
  Bottom 0.406: JP61.8 U29.AREF
AREF8
  Bottom 0.406: JP69.8 U33.AREF
CD  (via drill 0.51)
  Top 0.254: v38.48,33.28 v38.48,33.27 38.61,33.15 38.61,32.26 38.36,32.01 U1.CD 35.05,32.01 v33.53,33.53 33.78,33.28
  Bottom 0.254: SJ3.2 48.77,20.83 38.48,31.11 v38.48,33.27 | JP7.3 v33.53,33.53
CD1  (via drill 0.51)
  Top 0.254: v98.67,33.28 v98.68,33.27 98.81,33.15 98.81,32.26 98.56,32.01 U7.CD 95.25,32.01 v93.73,33.53 93.98,33.28
  Bottom 0.254: SJ8.2 108.97,20.83 98.68,31.11 v98.68,33.27 | JP16.3 v93.73,33.53
CD2  (via drill 0.51)
  Top 0.254: v158.87,33.28 v158.88,33.27 159,33.15 159,32.26 158.75,32.01 U11.CD 155.44,32.01 v153.92,33.53 154.17,33.28
  Bottom 0.254: SJ13.2 169.16,20.83 158.88,31.11 v158.88,33.27 | JP24.3 v153.92,33.53
CD3  (via drill 0.51)
  Top 0.254: v38.48,87.13 v38.48,87.12 38.61,87 38.61,86.11 38.36,85.86 U15.CD 35.05,85.86 v33.53,87.38 33.78,87.13
  Bottom 0.254: SJ18.2 48.77,74.68 38.48,84.96 v38.48,87.12 | JP32.3 v33.53,87.38
CD4  (via drill 0.51)
  Top 0.254: v98.67,87.13 v98.68,87.12 98.81,87 98.81,86.11 98.56,85.86 U19.CD 95.25,85.86 v93.73,87.38 93.98,87.13
  Bottom 0.254: SJ23.2 108.97,74.68 98.68,84.96 v98.68,87.12 | JP40.3 v93.73,87.38
CD5  (via drill 0.51)
  Top 0.254: v158.87,87.13 v158.88,87.12 159,87 159,86.11 158.75,85.86 U23.CD 155.44,85.86 v153.92,87.38 154.17,87.13
  Bottom 0.254: SJ28.2 169.16,74.68 158.88,84.96 v158.88,87.12 | JP48.3 v153.92,87.38
CD6  (via drill 0.51)
  Top 0.254: v38.48,140.97 38.61,140.84 38.61,139.95 38.36,139.7 U27.CD 35.05,139.7 v33.53,141.22 33.78,140.97
  Bottom 0.254: SJ33.2 48.77,128.52 38.48,138.81 v38.48,140.97 | JP56.3 v33.53,141.22
CD7  (via drill 0.51)
  Top 0.254: v98.67,140.97 v98.68,140.97 98.81,140.84 98.81,139.95 98.56,139.7 U31.CD 95.25,139.7 v93.73,141.22 93.98,140.97
  Bottom 0.254: SJ38.2 108.97,128.52 98.68,138.81 v98.68,140.97 | JP64.3 v93.73,141.22
CD8  (via drill 0.51)
  Top 0.254: v158.87,140.97 v158.88,140.97 159,140.84 159,139.95 158.75,139.7 U35.CD 155.44,139.7 v153.92,141.22 154.17,140.97
  Bottom 0.254: SJ43.2 169.16,128.52 158.88,138.81 v158.88,140.97 | JP72.3 v153.92,141.22
D0
  Bottom 0.254: SJ1.3 61.09,50.93 61.47,51.31 JP4.1
  Bottom 0.406: JP4.1 U2.RX
D1
  Bottom 0.254: SJ2.3 56.01,50.93 56.39,51.31 57.66,51.31 JP4.2
  Bottom 0.406: JP4.2 U2.TX
D2
  Bottom 0.406: JP4.3 U2.D2
D3
  Bottom 0.406: JP4.4 U2.D3
D4
  Bottom 0.406: JP4.5 U2.D4
D5
  Bottom 0.406: JP4.6 U2.D5
D6
  Bottom 0.406: JP4.7 U2.D6
D7
  Bottom 0.406: JP4.8 U2.D7
D8  (via drill 0.51)
  Top 0.254: v50.29,51.05 56.64,51.05 v57.66,50.04
  Bottom 0.254: v50.29,51.05 41.4,51.05 JP6.1 | SJ1.1 v57.66,50.04
  Bottom 0.406: U2.D8 JP6.1
D9
  Bottom 0.254: SJ2.1 39.88,50.04 JP6.2
  Bottom 0.406: JP6.2 U2.D9
D10
  Bottom 0.406: JP6.3 U2.D10
D11
  Bottom 0.406: JP6.4 U2.D11
D12
  Bottom 0.406: JP6.5 U2.D12
D13
  Bottom 0.406: JP6.6 U2.D13
D14
  Bottom 0.406: JP11.3 U5.D2
D15
  Bottom 0.406: JP11.4 U5.D3
D16
  Bottom 0.406: JP11.5 U5.D4
D17
  Bottom 0.406: JP11.6 U5.D5
D18
  Bottom 0.406: JP11.7 U5.D6
D19
  Bottom 0.406: JP11.8 U5.D7
D20  (via drill 0.51)
  Top 0.254: v110.49,51.05 116.84,51.05 v117.86,50.04
  Bottom 0.254: v110.49,51.05 101.6,51.05 JP13.1 | SJ6.1 v117.86,50.04
  Bottom 0.406: U5.D8 JP13.1
D21
  Bottom 0.254: SJ7.1 100.08,50.04 JP13.2
  Bottom 0.406: JP13.2 U5.D9
D22
  Bottom 0.406: JP13.3 U5.D10
D23
  Bottom 0.406: JP13.4 U5.D11
D24
  Bottom 0.406: JP13.5 U5.D12
D25
  Bottom 0.406: JP13.6 U5.D13
D26
  Bottom 0.254: SJ7.3 116.2,50.93 116.59,51.31 117.86,51.31 JP11.2
  Bottom 0.406: JP11.2 U5.TX
D27
  Bottom 0.254: SJ6.3 121.28,50.93 121.67,51.31 JP11.1
  Bottom 0.406: JP11.1 U5.RX
D28
  Bottom 0.406: JP19.3 U9.D2
D29
  Bottom 0.406: JP19.4 U9.D3
D30
  Bottom 0.406: JP19.5 U9.D4
D31
  Bottom 0.406: JP19.6 U9.D5
D32
  Bottom 0.406: JP19.7 U9.D6
D33
  Bottom 0.406: JP19.8 U9.D7
D34  (via drill 0.51)
  Top 0.254: v170.69,51.05 177.04,51.05 v178.05,50.04
  Bottom 0.254: v170.69,51.05 161.8,51.05 JP21.1 | SJ11.1 v178.05,50.04
  Bottom 0.406: U9.D8 JP21.1
D35
  Bottom 0.254: SJ12.1 160.27,50.04 JP21.2
  Bottom 0.406: JP21.2 U9.D9
D36
  Bottom 0.406: JP21.3 U9.D10
D37
  Bottom 0.406: JP21.4 U9.D11
D38
  Bottom 0.406: JP21.5 U9.D12
D39
  Bottom 0.406: JP21.6 U9.D13
D40
  Bottom 0.254: SJ12.3 176.4,50.93 176.78,51.31 178.05,51.31 JP19.2
  Bottom 0.406: JP19.2 U9.TX
D41